# KiCad board ikafly_rev0a_p_cut.kicad_pcb (continued)
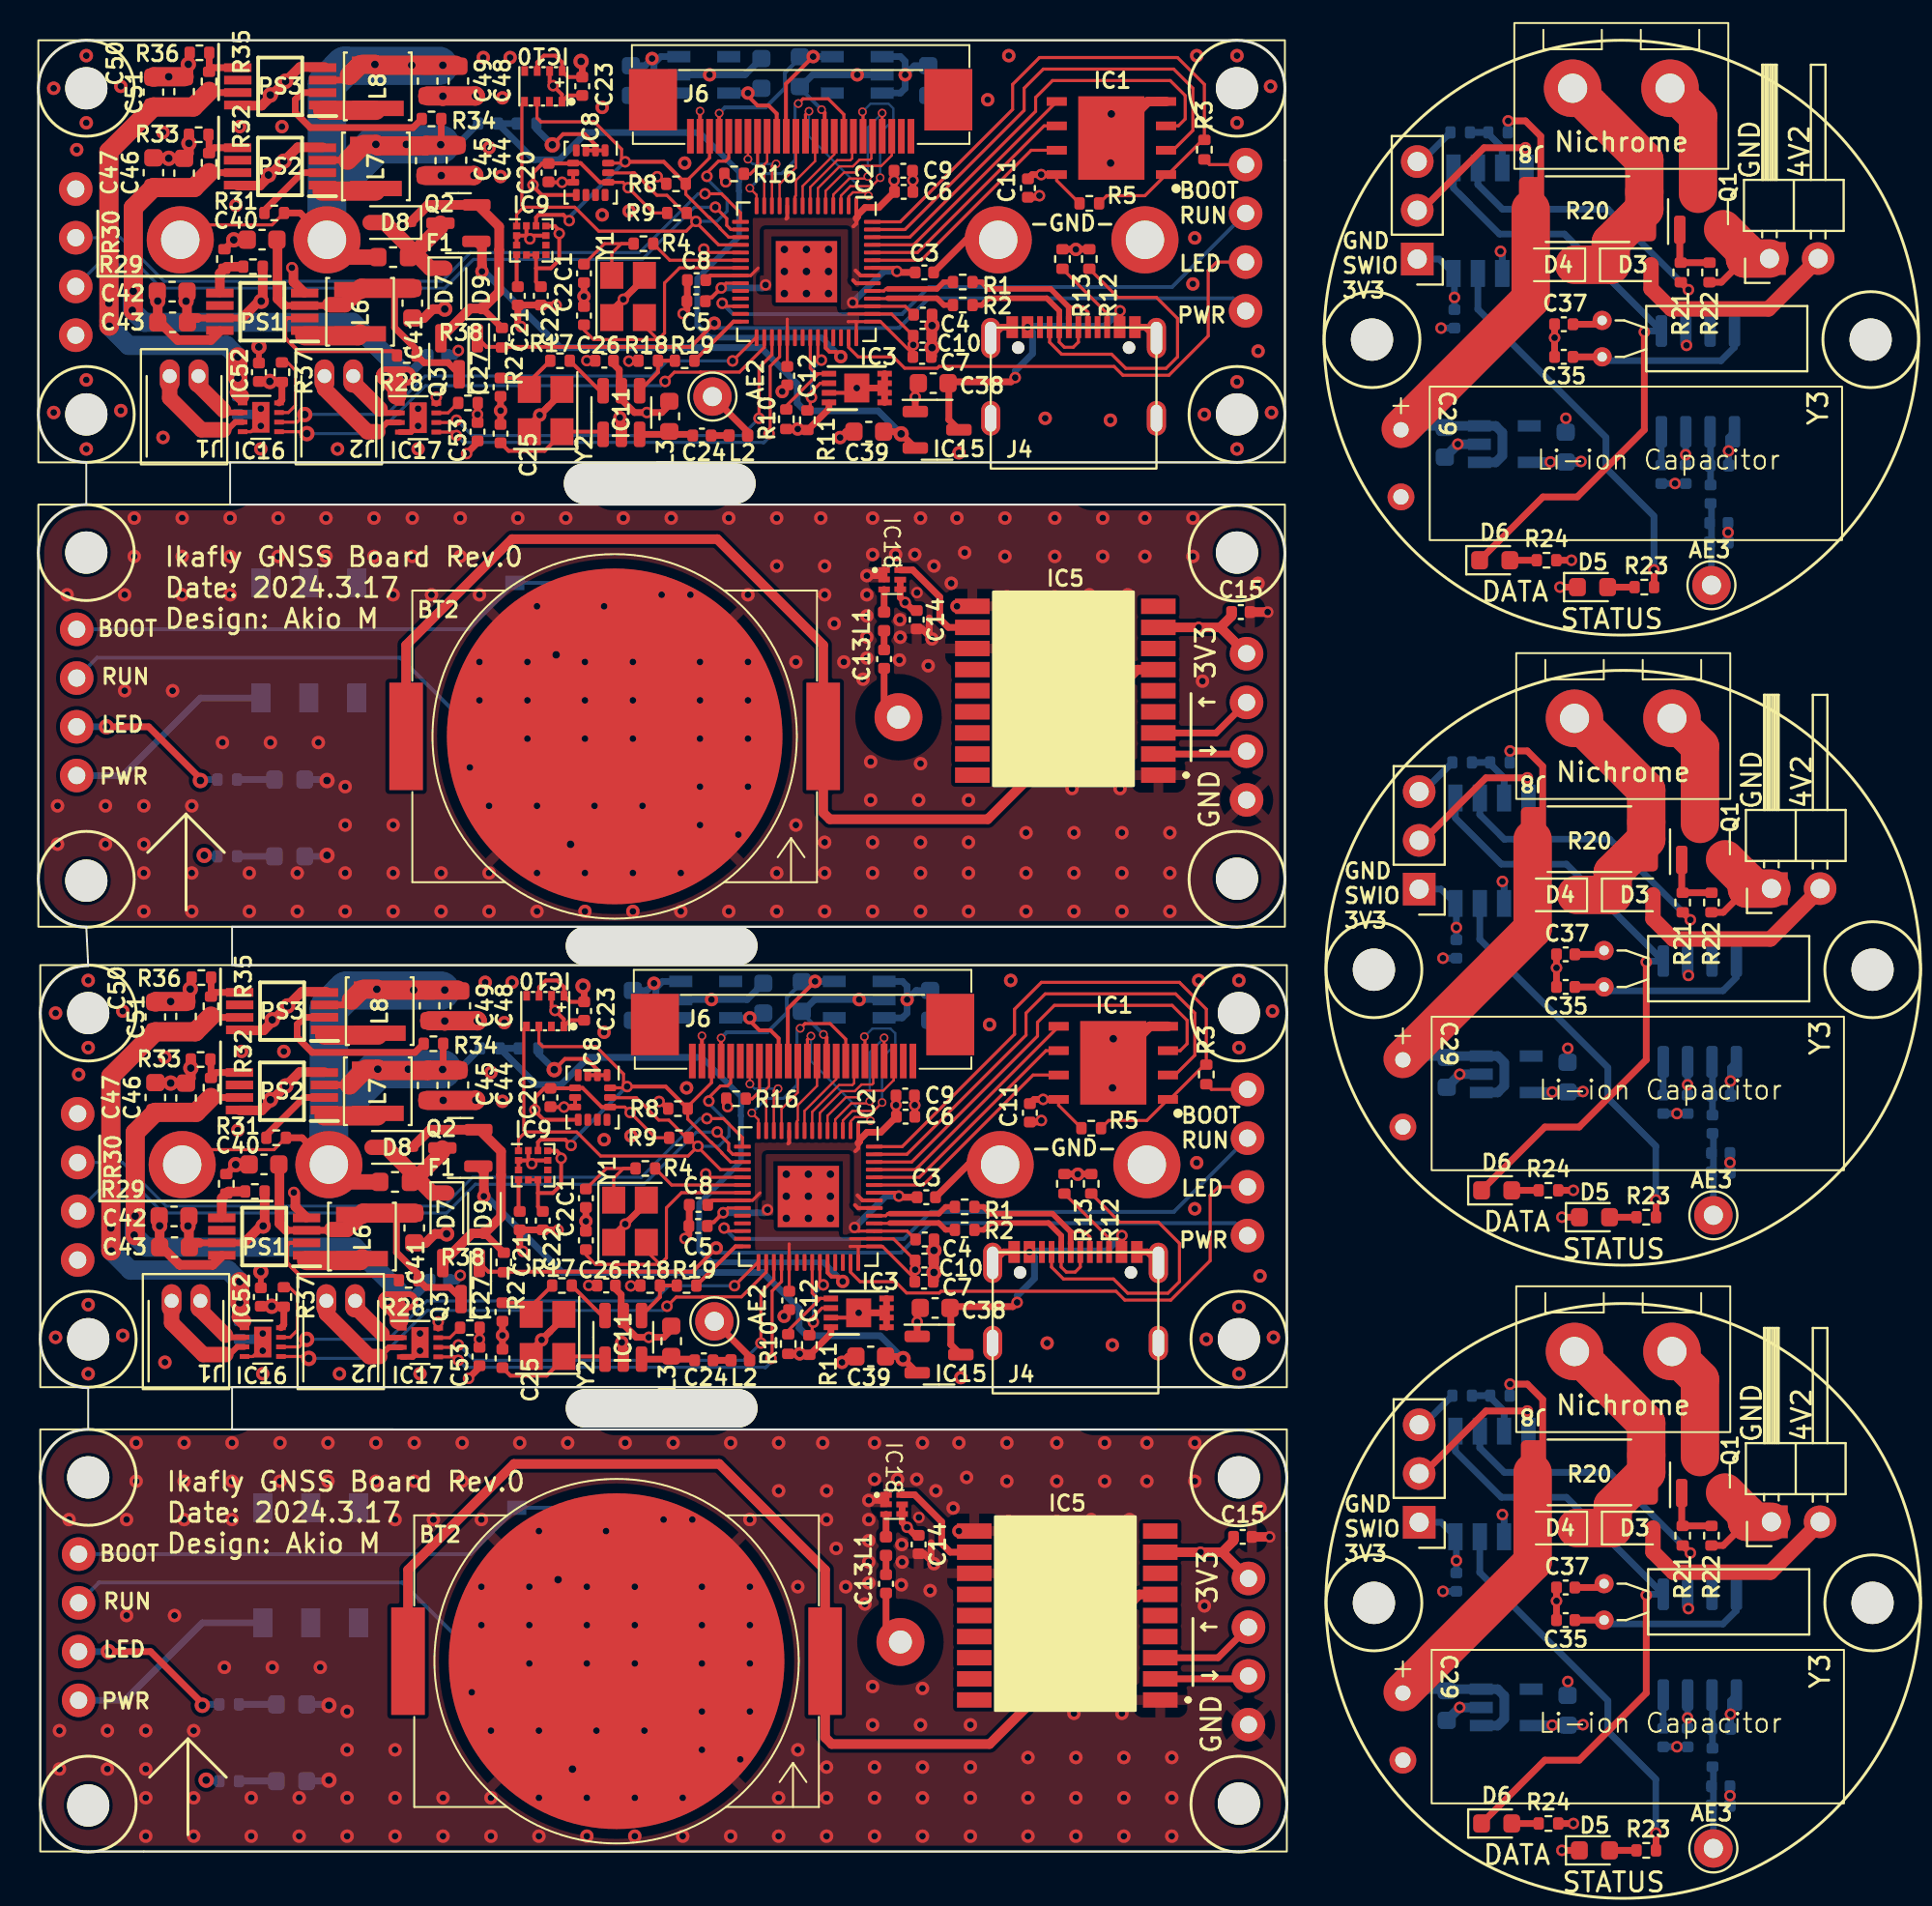
[diagram p0: board, top side]
## Placement (name value [footprint] x y rotation side) (continued)
R28#2  10k  [R_0402_1005Metric]  19.31 29.77 180 top
R29  680k  [R_0402_1005Metric]  11.29 34.4 180 top
R29#2  680k  [R_0402_1005Metric]  11.19 82.6 180 top
R30  150k  [R_0402_1005Metric]  9.7 83 90 top
R30#2  150k  [R_0402_1005Metric]  9.8 34.8 90 top
R31  10k  [R_0402_1005Metric]  12.4 37.2 180 top
R31#2  10k  [R_0402_1005Metric]  12.3 85.4 180 top
R32  680k  [R_0402_1005Metric]  8.9 88.01 90 top
R32#2  680k  [R_0402_1005Metric]  9 39.81 90 top
R33  150k  [R_0402_1005Metric]  8.46 41.28 180 top
R33#2  150k  [R_0402_1005Metric]  8.36 89.48 180 top
R34  10k  [R_0402_1005Metric]  20.5 90.3 180 top
R34#2  10k  [R_0402_1005Metric]  20.6 42.1 180 top
R35  680k  [R_0402_1005Metric]  8.9 92.25 90 top
R35#2  680k  [R_0402_1005Metric]  9 44.05 90 top
R36  150k  [R_0402_1005Metric]  8.4 93.75 180 top
R36#2  150k  [R_0402_1005Metric]  8.5 45.55 180 top
R37  10k  [R_0402_1005Metric]  12.7 77.1 90 top
R37#2  10k  [R_0402_1005Metric]  12.8 28.9 90 top
R38  10k  [R_0402_1005Metric]  22.5 27.3 180 top
R38#2  10k  [R_0402_1005Metric]  22.4 75.5 180 top
S1  TS-1187A-B-A-B  [TS1187ABAB]  27.95 16.05 180 bottom
S1#2  TS-1187A-B-A-B  [TS1187ABAB]  27.85 64.25 180 bottom
S2  TS-1187A-B-A-B  [TS1187ABAB]  27.95 6.17 180 bottom
S2#2  TS-1187A-B-A-B  [TS1187ABAB]  27.85 54.37 180 bottom
S3  MST22D18G2_125  [MST22D18G2125]  14.1 63.12 180 bottom
S3#2  MST22D18G2_125  [MST22D18G2125]  14.2 14.92 180 bottom
TP1  TestPoint  [TestPoint_Pad_D1.0mm]  77.74 14.36 180 bottom
TP1#2  TestPoint  [TestPoint_Pad_D1.0mm]  77.64 80.2 180 bottom
TP1#3  TestPoint  [TestPoint_Pad_D1.0mm]  77.74 47.36 180 bottom
Y1  Crystal_12MHz  [Crystal_SMD_3225-4Pin_3.2x2.5mm]  30.85 32.85 270 top
Y1#2  Crystal_12MHz  [Crystal_SMD_3225-4Pin_3.2x2.5mm]  30.75 81.05 270 top
Y2  9.844MHz  [Crystal_SMD_3225-4Pin_3.2x2.5mm]  26.55 26.9 90 top
Y2#2  9.844MHz  [Crystal_SMD_3225-4Pin_3.2x2.5mm]  26.45 75.1 90 top
Y3  9.81563MHz  [Crystal_C38-LF_D3.0mm_L8.0mm_Horizontal]  81.64 12.06 90 top
Y3#2  9.81563MHz  [Crystal_C38-LF_D3.0mm_L8.0mm_Horizontal]  81.54 77.9 90 top
Y3#3  9.81563MHz  [Crystal_C38-LF_D3.0mm_L8.0mm_Horizontal]  81.64 45.06 90 top

## Library data of the parts
AE1 AE1#2 = -: Description: Antenna; LCSC: C2826453
AE2 AE2#2 AE3 AE3#2 AE3#3 = -: Description: Antenna
BT1 BT1#2 = -: Description: Single-cell battery; LCSC: C6937103
BT2 BT2#2 = -: Description: Single-cell battery; LCSC: C19184094
C1 C1#2 C2 C2#2 C24 C24#2 C25 C25#2 C27 C27#2 C35 C35#2 C35#3 C37 C37#2 C37#3 = -: Description: Unpolarized capacitor; LCSC: C1554; Manufacturer_Name: C1554
C3 C3#2 C6 C6#2 = -: Description: Unpolarized capacitor; LCSC: C5137485
C4 C4#2 C5 C5#2 C7 C7#2 C8 C8#2 C9 C9#2 C10 C10#2 C11 C11#2 C12 C12#2 C14 C14#2 C15 C15#2 C20 C20#2 C21 C21#2 C22 C22#2 C23 C23#2 C28 C28#2 C28#3 C32 C32#2 C32#3 C52 C52#2 C53 C53#2 C54 C54#2 C55 C55#2 = -: Description: Unpolarized capacitor; LCSC: C83056
C13 C13#2 = -: Description: Unpolarized capacitor; LCSC: C1537
C16 C16#2 C17 C17#2 C18 C18#2 C19 C19#2 C34 C34#2 C34#3 C36 C36#2 C36#3 C38 C38#2 C39 C39#2 = -: Description: Unpolarized capacitor; LCSC: C1691
C26 C26#2 = -: Description: Unpolarized capacitor; LCSC: C12530
C29 C29#2 C29#3 = -: Description: Polarized capacitor; LCSC: C2901337
C30 C30#2 C30#3 = -: Description: Unpolarized capacitor; LCSC: C1576
C31 C31#2 C31#3 = -: Description: Unpolarized capacitor; LCSC: C1552
C33 C33#2 C33#3 = -: Description: Unpolarized capacitor; LCSC: C123497
C40 C40#2 C41 C41#2 C42 C42#2 C43 C43#2 C44 C44#2 C45 C45#2 C46 C46#2 C47 C47#2 C48 C48#2 C49 C49#2 C50 C50#2 C51 C51#2 = -: Description: Unpolarized capacitor; LCSC: C59461
D1 D1#2 D2 D2#2 D5 D5#2 D5#3 D6 D6#2 D6#3 = -: Description: Light emitting diode; LCSC: C965807
D3 D3#2 D3#3 D4 D4#2 D4#3 D7 D7#2 D8 D8#2 D9 D9#2 = -: Description: Diode; LCSC: C146335; Sim.Device: D; Sim.Pins: 1=K 2=A
F1 F1#2 = -: Description: Resettable fuse, polymeric positive temperature coefficient; LCSC: C210357
H1 H1#2 H2 H2#2 H3 H3#2 H4 H4#2 H5 H5#2 H5#3 H6 H6#2 H6#3 H7 H7#2 H8 H8#2 H9 H9#2 H10 H10#2 = -: Description: Mounting Hole without connection
IC1 IC1#2 = -: Description: 32M-bit Serial Flash Memory with uniform 4KB sectors and Dual/Quad SPI; Height: 0.8; LCSC: C571260; Manufacturer_Name: Winbond
IC2 IC2#2 = -: Description: A microcontroller by Raspberry Pi; LCSC: C2040
IC3 IC3#2 = -: LCSC: C19725754
IC5 IC5#2 = -: Description: GSM & GPRS & GPS Modules 9.7X10.1mm RoHS; Height: 2.6; LCSC: C90770; Manufacturer_Name: ZHONGKEWEI
IC6 IC6#2 = -: Description: High Speed LDO Regulators, High PSRR, Low noise, ME6211 Series; Height: 1.45; LCSC: C53099; Manufacturer_Name: Microne; Manufacturer_Part_Number: ME6211C28M5G
IC7 IC7#2 = -: Description: High Speed LDO Regulators, High PSRR, Low noise, ME6211 Series; Height: 1.45; LCSC: C236672; Manufacturer_Name: Microne; Manufacturer_Part_Number: ME6211C12M5G
IC8 IC8#2 = -: Description: STMicroelectronics iNEMO inertial module: 3D accelerometer and 3D gyroscope; LCSC: C967633; Manufacturer_Name: STMicroelectronics
IC9 IC9#2 = -: LCSC: C478483
IC10 IC10#2 = -: LCSC: C2684428
IC11 IC11#2 = -: LCSC: C2886627
IC12 IC12#2 IC12#3 = -: Description: QingKe V2/V4 core, main frequency @48M; Height: 1.55; LCSC: C5346354; Manufacturer_Name: WCH
IC13 IC13#2 IC13#3 = -: LCSC: C5182219
IC14 IC14#2 IC14#3 = -: Description: High Speed LDO Regulators, High PSRR, Low noise, ME6211 Series; Height: 1.45; LCSC: C82942; Manufacturer_Name: Microne; Manufacturer_Part_Number: ME6211C33M5G
IC15 IC15#2 = -: Description: Positive 60-250mA Low Dropout Regulator, Fixed Output, SOT-23; LCSC: C347373
IC16 IC16#2 IC17 IC17#2 = -: Description: H-Bridge driver, 1.8A, Low Voltage, PWM input, WSON-8; LCSC: C39159
IC18 IC18#2 = -: LCSC: C92450
J1 J1#2 J2 J2#2 J7 J7#2 J7#3 J8 J8#2 J8#3 = -: Description: Generic connector, single row, 01x02, script generated
J3 J3#2 J5 J5#2 = -: Description: Generic connector, single row, 01x08, script generated
J4 J4#2 = -: LCSC: C2874568
J6 J6#2 = -: LCSC: C2998872
J9 J9#2 J9#3 = -: Description: Generic connector, single row, 01x03, script generated
L1 L1#2 = -: Description: Inductor; LCSC: C395075; Manufacturer_Name: C395075
L2 L2#2 = -: Description: Inductor; LCSC: C32837
L3 L3#2 = -: Description: Inductor; LCSC: C963792
L4 L4#2 L4#3 = -: Description: Inductor; LCSC: C395063
L5 L5#2 L5#3 = -: Description: Inductor; LCSC: C90182
L6 L6#2 L7 L7#2 L8 L8#2 = -: Description: Inductor; LCSC: C5159663
PS1 PS1#2 PS2 PS2#2 PS3 PS3#2 = -: Description: DiodesZetex PAM2401SCADJ, Step Down DC-DC Converter, 1000mA, Adjustable, 2.5  5 V, 8-Pin MSOP 8; Height: 1.1; LCSC: C508238; Manufacturer_Name: Diodes Incorporated
Q1 Q1#2 Q1#3 = -: Description: 0.115A Id, 60V Vds, N-Channel MOSFET, SOT-23; LCSC: C389061
Q2 Q2#2 Q3 Q3#2 = -: Description: -3.7A Id, -20V Vds, 65mOhm Rds, P-Channel HEXFET Power MOSFET, SOT-23; LCSC: C5224170
R1 R1#2 R2 R2#2 = -: Description: Resistor; LCSC: C2909343
R3 R3#2 R4 R4#2 R17 R17#2 R21 R21#2 R21#3 = -: Description: Resistor; LCSC: C2906899
R5 R5#2 R6 R6#2 R7 R7#2 R14 R14#2 R15 R15#2 R16 R16#2 R19 R19#2 R22 R22#2 R22#3 R23 R23#2 R23#3 R24 R24#2 R24#3 R28 R28#2 R31 R31#2 R34 R34#2 R37 R37#2 R38 R38#2 = -: Description: Resistor; LCSC: C2906885
R8 R8#2 R9 R9#2 R10 R10#2 R11 R11#2 = -: Description: Resistor; LCSC: C2906920
R12 R12#2 R13 R13#2 = -: Description: Resistor; LCSC: C2906948
R18 R18#2 R25 R25#2 R25#3 R26 R26#2 R26#3 R27 R27#2 = -: Description: Resistor; LCSC: C60491
R20 R20#2 R20#3 = -: Description: Resistor; LCSC: C3000711
R29 R29#2 R32 R32#2 R35 R35#2 = -: Description: Resistor; LCSC: C2909377
R30 R30#2 R33 R33#2 R36 R36#2 = -: Description: Resistor; LCSC: C2909320
S1 S1#2 S2 S2#2 = -: Description: tact switch 4x4X1.5 patch 160GF metal head waterproof; Height: 4.05; LCSC: C318884; Manufacturer_Name: XKB Connectivity
S3 S3#2 = -: Description: Brick nogging 50mA DPDT 12V 1 SMD,3.6x9.1mm Slide Switches ROHS; Height: 8; LCSC: C2906280; Manufacturer_Name: SHENZHEN SHOUHAN TECHNOLOGYCO.,LTD; Manufacturer_Part_Number: MST22D18G2 125
TP1 TP1#2 TP1#3 = -: Description: test point
Y1 Y1#2 = -: Description: Four pin crystal, GND on pins 2 and 4; LCSC: C133334
Y2 Y2#2 = -: Description: Four pin crystal, GND on pins 2 and 4; LCSC: C648991
Y3 Y3#2 Y3#3 = -: Description: Two pin crystal; LCSC: C4944010

## Footprints (pads in the part's own frame, mm; a bottom-side part is the same pattern mirrored in y, then rotated)
AT2659
  rect 0.3x0.6 smd: 1(-0.5,-0.44) 2(-0.01,-0.44) 3(0.51,-0.44) 4(0.5,0.4) 5(0,0.4) 6(-0.5,0.4)
ATGM336H5N31
  rect 1.8x0.8 smd: 1(4.85,-4.4) 2(4.85,-3.3) 3(4.85,-2.2) 4(4.85,-1.1) 5(4.85,0) 6(4.85,1.1) 7(4.85,2.2) 8(4.85,3.3) 9(4.85,4.4) 10(-4.85,4.4) 11(-4.85,3.3) 12(-4.85,2.2) 13(-4.85,1.1) 14(-4.85,0) 15(-4.85,-1.1) 16(-4.85,-2.2) 17(-4.85,-3.3) 18(-4.85,-4.4)
BWGNSCNX18-18W2
  round 2.5 hole 1.2: 1(-1,0)
C_0402_1005Metric
  rrect 0.56x0.62 smd: 1(-0.48,0) 2(0.48,0)
C_0603_1608Metric
  rrect 0.9x0.95 smd: 1(-0.775,0) 2(0.775,0)
Capacitor_P3.5_8x20_H
  round 1.4 hole 0.8: 1(-1.75,0) 2(1.75,0)
Conn_MY-AA
  round 3.5 hole 2: 1(0,0) 1(7.65,0) 2(42.65,0) 2(50.3,0)
Crystal_C38-LF_D3.0mm_L8.0mm_Horizontal
  round 1 hole 0.5: 1(0,0) 2(1.9,0)
Crystal_SMD_3225-4Pin_3.2x2.5mm
  rect 1.4x1.2 smd: 1(-1.1,-0.85) 2(1.1,-0.85) 3(1.1,0.85) 4(-1.1,0.85)
D_SOD-323
  rrect 0.6x0.45 smd: 1(-1.05,0) 2(1.05,0)
DFN-8-1EP_3x2mm_P0.5mm_EP1.3x1.5mm
  rect 0.5x0.6 smd: (-0.325,0.375) (-0.325,-0.375) (0.325,0.375) (0.325,-0.375)
  rect 0.75x0.3 smd: 1(-1.45,0.75) 2(-1.45,0.25) 3(-1.45,-0.25) 4(-1.45,-0.75) 5(1.45,-0.75) 6(1.45,-0.25) 7(1.45,0.25) 8(1.45,0.75)
  rect 1.3x1.5 smd: 9(0,0)
FC05-SXXDCU-00
  rect 2.5x3.2 smd: (-7.7,1.9) (7.7,1.9)
  rect 0.35x1.8 smd: 1(-5.75,0) 2(-5.25,0) 3(-4.75,0) 4(-4.25,0) 5(-3.75,0) 6(-3.25,0) 7(-2.75,0) 8(-2.25,0) 9(-1.75,0) 10(-1.25,0) 11(-0.75,0) 12(-0.25,0) 13(0.25,0) 14(0.75,0) 15(1.25,0) 16(1.75,0) 17(2.25,0) 18(2.75,0) 19(3.25,0) 20(3.75,0) 21(4.25,0) 22(4.75,0) 23(5.25,0) 24(5.75,0)
Fuse_0603_1608Metric
  rrect 0.875x0.95 smd: 1(-0.787,0) 2(0.787,0)
Goertek_SPL06-001
  rect 0.35x0.5 smd: 1(0.28,1.8) 2(0.93,1.8) 3(1.58,1.8) 4(2.23,1.8) 5(2.22,0.2) 6(1.57,0.2) 7(0.92,0.2) 8(0.27,0.2)
GPS2MCU_Conn
  round 1.75 hole 0.9: 1(-30.75,3.235) 2(-30.75,0.695) 3(-30.75,-1.845) 4(-30.75,-4.385) 5(30.25,4.505) 6(30.25,1.965) 7(30.25,-0.575) 8(30.25,-3.115)
JST_ZH_2_Side
  oval 1.03x1.73 hole 0.73: 1(1.5,0) 2(3,0)
L_0402_1005Metric
  rrect 0.59x0.64 smd: 1(-0.485,0) 2(0.485,0)
L_0603_1608Metric
  rrect 0.875x0.95 smd: 1(-0.787,0) 2(0.787,0)
L_Sunlord_SWPA3015S
  rect 0.8x2.7 smd: 1(-1.15,0) 2(1.15,0)
LED_0603_1608Metric
  rrect 0.875x0.95 smd: 1(-0.787,0) 2(0.787,0)
LGA-12_2x2mm_P0.5mm
  rect 0.375x0.35 smd: 1(-0.762,0.75) 2(-0.762,0.25) 3(-0.762,-0.25) 4(-0.762,-0.75) 7(0.762,-0.75) 8(0.762,-0.25) 9(0.762,0.25) 10(0.762,0.75)
  rect 0.35x0.375 smd: 5(-0.25,-0.762) 6(0.25,-0.762) 11(0.25,0.762) 12(-0.25,0.762)
LGA-14_3x2.5mm_P0.5mm_LayoutBorder3x4y
  rrect 0.625x0.35 smd: 1(-1.163,0.75) 2(-1.163,0.25) 3(-1.163,-0.25) 4(-1.163,-0.75) 8(1.163,-0.75) 9(1.163,-0.25) 10(1.163,0.25) 11(1.163,0.75)
  rrect 0.35x0.625 smd: 5(-0.5,-0.912) 6(0,-0.912) 7(0.5,-0.912) 12(0.5,0.912) 13(0,0.912) 14(-0.5,0.912)
MountingHole_2.2mm_M2
  round 2.2 hole 2.2 unplated: (0,0)
MST22D18G2125
  rect 1x1.5 smd: 1(-2.5,-3) 2(0,-3) 3(2.5,-3) 4(2.5,3) 5(0,3) 6(-2.5,3)
MY-2032-08-J-Fe
  rect 1.75x5.6 smd: 1(-10.875,0) 1(10.875,0)
  round 17.5 smd: 2(0,0)
Pin_D1.0mm_L10.0mm
  round 2 hole 1: 1(0,0)
PinHeader_1x02_P2.54mm_Horizontal
  rect 1.7x1.7 hole 1: 1(0,0)
  oval 1.7x1.7 hole 1: 2(0,-2.54)
PinHeader_1x03_P2.54mm_Vertical
  rect 1.7x1.7 hole 1: 1(0,0)
  oval 1.7x1.7 hole 1: 2(0,-2.54) 3(0,-5.08)
QFN-56-1EP_7x7mm_P0.4mm_EP3.2x3.2mm
  rrect 1.29x1.29 smd: (-0.8,0.8) (-0.8,-0.8) (0.8,0.8) (0.8,-0.8)
  rrect 0.875x0.2 smd: 1(-3.438,2.6) 2(-3.438,2.2) 3(-3.438,1.8) 4(-3.438,1.4) 5(-3.438,1) 6(-3.438,0.6) 7(-3.438,0.2) 8(-3.438,-0.2) 9(-3.438,-0.6) 10(-3.438,-1) 11(-3.438,-1.4) 12(-3.438,-1.8) 13(-3.438,-2.2) 14(-3.438,-2.6) 29(3.438,-2.6) 30(3.438,-2.2) 31(3.438,-1.8) 32(3.438,-1.4) 33(3.438,-1) 34(3.438,-0.6) 35(3.438,-0.2) 36(3.438,0.2) 37(3.438,0.6) 38(3.438,1) 39(3.438,1.4) 40(3.438,1.8) 41(3.438,2.2) 42(3.438,2.6)
  rrect 0.2x0.875 smd: 15(-2.6,-3.438) 16(-2.2,-3.438) 17(-1.8,-3.438) 18(-1.4,-3.438) 19(-1,-3.438) 20(-0.6,-3.438) 21(-0.2,-3.438) 22(0.2,-3.438) 23(0.6,-3.438) 24(1,-3.438) 25(1.4,-3.438) 26(1.8,-3.438) 27(2.2,-3.438) 28(2.6,-3.438) 43(2.6,3.438) 44(2.2,3.438) 45(1.8,3.438) 46(1.4,3.438) 47(1,3.438) 48(0.6,3.438) 49(0.2,3.438) 50(-0.2,3.438) 51(-0.6,3.438) 52(-1,3.438) 53(-1.4,3.438) 54(-1.8,3.438) 55(-2.2,3.438) 56(-2.6,3.438)
  rect 3.2x3.2 smd: 57(0,0)
R_0402_1005Metric
  rrect 0.54x0.64 smd: 1(-0.51,0) 2(0.51,0)
R_2512_6332Metric
  rrect 1.225x3.35 smd: 1(-2.962,0) 2(2.962,0)
SOIC127P600X155-8N
  rect 1.4x0.75 smd: 1(-2.75,1.905) 2(-2.75,0.635) 3(-2.75,-0.635) 4(-2.75,-1.905) 5(2.75,-1.905) 6(2.75,-0.635) 7(2.75,0.635) 8(2.75,1.905)
SON127P600X500X80-9N-D
  rect 1.05x0.45 smd: 1(-2.85,1.905) 2(-2.85,0.635) 3(-2.85,-0.635) 4(-2.85,-1.905) 5(2.85,-1.905) 6(2.85,-0.635) 7(2.85,0.635) 8(2.85,1.905)
  rect 3.45x4.35 smd: 9(0,0)
SOP65P490X110-8N
  rect 1.425x0.45 smd: 1(-2.212,0.975) 2(-2.212,0.325) 3(-2.212,-0.325) 4(-2.212,-0.975) 5(2.212,-0.975) 6(2.212,-0.325) 7(2.212,0.325) 8(2.212,0.975)
SOP-8_3.9x4.9mm_P1.27mm
  rrect 1.65x0.6 smd: 1(-2.625,1.905) 2(-2.625,0.635) 3(-2.625,-0.635) 4(-2.625,-1.905) 5(2.625,-1.905) 6(2.625,-0.635) 7(2.625,0.635) 8(2.625,1.905)
SOT95P282X145-5N
  rect 1.2x0.6 smd: 1(-1.3,0.95) 2(-1.3,0) 3(-1.3,-0.95) 4(1.3,-0.95) 5(1.3,0.95)
SOT-23
  rrect 1.475x0.6 smd: 1(-0.938,0.95) 2(-0.938,-0.95) 3(0.938,0)
SOT-23-3
  rrect 1.325x0.6 smd: 1(-1.137,0.95) 2(-1.137,-0.95) 3(1.137,0)
SOT-23-6
  rrect 1.325x0.6 smd: 1(-1.137,0.95) 2(-1.137,0) 3(-1.137,-0.95) 4(1.137,-0.95) 5(1.137,0) 6(1.137,0.95)
TerminalBlock_TB111-2-2-U-1-1
  round 3 hole 1.52: 1(-2.54,0) 2(2.54,0)
TestPoint_Pad_D1.0mm
  round 1 smd: 1(0,0)
TS1187ABAB
  rect 1x0.75 smd: A1(-3,1.875) B1(3,1.875) C1(-3,-1.875) D1(3,-1.875)
unnamed
  oval 10x2 hole 10x2 unplated: (0,0)
unnamed#2
  oval 10x2.1 hole 10x2.1 unplated: (0,0)
USB_type_C
  round 0.65 hole 0.65 unplated: (1.43,-1.05) (7.21,-1.05)
  rect 0.6x1.14 smd: 1(1.12,0.02) 2(1.92,0.02) 11(6.72,0.02) 12(7.52,0.02)
  rect 0.3x1.14 smd: 3(2.57,0.02) 4(3.07,0.02) 5(3.57,0.02) 6(4.07,0.02) 7(4.57,0.02) 8(5.07,0.02) 9(5.57,0.02) 10(6.07,0.02)
  oval 1x2.1 hole 0.6x1.7: S(0,-0.55) S(8.64,-0.55)
  oval 1x1.8 hole 0.6x1.4: S(0,-4.73) S(8.64,-4.73)
WSON-8-1EP_2x2mm_P0.5mm_EP0.9x1.6mm
  rect 0.75x0.65 smd: (0,0.4) (0,-0.4)
  rect 0.5x0.25 smd: 1(-0.95,0.75) 2(-0.95,0.25) 3(-0.95,-0.25) 4(-0.95,-0.75) 5(0.95,-0.75) 6(0.95,-0.25) 7(0.95,0.25) 8(0.95,0.75)
  rect 0.9x1.6 smd: 9(0,0)

## Nets
/3V3: C6.1 C6#2.1 C7.1 C7#2.1 C8.1 C8#2.1 C9.1 C9#2.1 C10.1 C10#2.1 C11.1 C11#2.1 C12.1 C12#2.1 C14.1 C14#2.1 C15.1 C15#2.1 C16.1 C16#2.1 C17.1 C17#2.1 C20.2 C20#2.2 C22.1 C22#2.1 C23.1 C23#2.1 C26.1 C26#2.1 C42.1 C42#2.1 C43.1 C43#2.1 C52.1 C52#2.1 C53.1 C53#2.1 IC1.8 IC1#2.8 IC2.1 IC2.10 IC2.22 IC2.33 IC2.42 IC2.43 IC2.44 IC2.48 IC2.49 IC2#2.1 IC2#2.10 IC2#2.22 IC2#2.33 IC2#2.42 IC2#2.43 IC2#2.44 IC2#2.48 IC2#2.49 IC3.8 IC3#2.8 IC5.8 IC5#2.8 IC6.1 IC6.3 IC6#2.1 IC6#2.3 IC7.1 IC7.3 IC7#2.1 IC7#2.3 IC8.5 IC8.8 IC8.12 IC8#2.5 IC8#2.8 IC8#2.12 IC9.5 IC9.6 IC9.10 IC9#2.5 IC9#2.6 IC9#2.10 IC10.6 IC10.8 IC10#2.6 IC10#2.8 IC11.5 IC11#2.5 IC16.8 IC16#2.8 IC17.8 IC17#2.8 IC18.4 IC18.5 IC18#2.4 IC18#2.5 J3.1 J3#2.1 J5.1 J5#2.1 L3.1 L3#2.1 PS1.7 PS1#2.7 R5.1 R5#2.1 R8.1 R8#2.1 R9.1 R9#2.1 R10.1 R10#2.1 R11.1 R11#2.1 R15.1 R15#2.1 R29.1 R29#2.1 R37.1 R37#2.1 R38.1 R38#2.1
/Ikafly_Camera/1V2: C19.1 C19#2.1 IC7.5 IC7#2.5 J6.10 J6#2.10
/Ikafly_Camera/2V8: C18.1 C18#2.1 IC6.5 IC6#2.5 J6.4 J6.11 J6#2.4 J6#2.11
/Ikafly_MCU/1V1: C3.1 C3#2.1 C4.1 C4#2.1 C5.1 C5#2.1 IC2.23 IC2.45 IC2.50 IC2#2.23 IC2#2.45 IC2#2.50
/Ikafly_Power/Ikafly_Power_DCDC_Logic/VBAT: C40.1 C40#2.1 C41.1 C41#2.1 L6.1 L6#2.1 PS1.3 PS1#2.3 Q3.3 Q3#2.3 R28.1 R28#2.1
/Ikafly_Power/VBUS_IN: C38.1 C38#2.1 IC15.3 IC15#2.3 J4.2 J4.11 J4#2.2 J4#2.11
/Ikafly_Separation_Board/3V3: C28.1 C28#2.1 C28#3.1 C32.1 C32#2.1 C32#3.1 C36.1 C36#2.1 C36#3.1 IC12.4 IC12#2.4 IC12#3.4 IC13.3 IC13#2.3 IC13#3.3 IC14.5 IC14#2.5 IC14#3.5 J9.1 J9#2.1 J9#3.1 R24.1 R24#2.1 R24#3.1
/Ikafly_Separation_Board/4V2: D3.2 D3#2.2 D3#3.2 J7.2 J7#2.2 J7#3.2
/VBAT: BT1.1 BT1#2.1 C44.1 C44#2.1 C45.1 C45#2.1 C48.1 C48#2.1 C49.1 C49#2.1 F1.1 F1#2.1 L7.1 L7#2.1 L8.1 L8#2.1 PS2.3 PS2#2.3 PS3.3 PS3#2.3 R6.1 R6#2.1 R31.1 R31#2.1 R34.1 R34#2.1
GND: BT1.2 BT1#2.2 BT2.2 BT2#2.2 C1.1 C1#2.1 C2.1 C2#2.1 C3.2 C3#2.2 C4.2 C4#2.2 C5.2 C5#2.2 C6.2 C6#2.2 C7.2 C7#2.2 C8.2 C8#2.2 C9.2 C9#2.2 C10.2 C10#2.2 C11.2 C11#2.2 C12.2 C12#2.2 C14.2 C14#2.2 C15.2 C15#2.2 C16.2 C16#2.2 C17.2 C17#2.2 C18.2 C18#2.2 C19.2 C19#2.2 C20.1 C20#2.1 C21.1 C21#2.1 C22.2 C22#2.2 C23.2 C23#2.2 C25.2 C25#2.2 C26.2 C26#2.2 C27.2 C27#2.2 C28.2 C28#2.2 C28#3.2 C29.2 C29#2.2 C29#3.2 C30.2 C30#2.2 C30#3.2 C32.2 C32#2.2 C32#3.2 C33.2 C33#2.2 C33#3.2 C34.2 C34#2.2 C34#3.2 C35.2 C35#2.2 C35#3.2 C36.2 C36#2.2 C36#3.2 C37.2 C37#2.2 C37#3.2 C38.2 C38#2.2 C39.2 C39#2.2 C40.2 C40#2.2 C41.2 C41#2.2 C42.2 C42#2.2 C43.2 C43#2.2 C44.2 C44#2.2 C45.2 C45#2.2 C46.2 C46#2.2 C47.2 C47#2.2 C48.2 C48#2.2 C49.2 C49#2.2 C50.2 C50#2.2 C51.2 C51#2.2 C52.2 C52#2.2 C53.2 C53#2.2 C54.2 C54#2.2 C55.2 C55#2.2 D1.1 D1#2.1 D2.1 D2#2.1 D5.1 D5#2.1 D5#3.1 D7.2 D7#2.2 IC1.4 IC1.9 IC1#2.4 IC1#2.9 IC2.19 IC2.57 IC2#2.19 IC2#2.57 IC3.1 IC3.2 IC3.3 IC3.4 IC3.7 IC3.9 IC3#2.1 IC3#2.2 IC3#2.3 IC3#2.4 IC3#2.7 IC3#2.9 IC5.1 IC5.10 IC5.12 IC5#2.1 IC5#2.10 IC5#2.12 IC6.2 IC6#2.2 IC7.2 IC7#2.2 IC8.1 IC8.2 IC8.3 IC8.6 IC8.7 IC8#2.1 IC8#2.2 IC8#2.3 IC8#2.6 IC8#2.7 IC9.2 IC9.3 IC9.9 IC9.12 IC9#2.2 IC9#2.3 IC9#2.9 IC9#2.12 IC10.1 IC10.7 IC10#2.1 IC10#2.7 IC11.2 IC11#2.2 IC12.2 IC12#2.2 IC12#3.2 IC13.1 IC13.6 IC13#2.1 IC13#2.6 IC13#3.1 IC13#3.6 IC14.2 IC14#2.2 IC14#3.2 IC15.1 IC15#2.1 IC16.4 IC16.9 IC16#2.4 IC16#2.9 IC17.4 IC17.9 IC17#2.4 IC17#2.9 IC18.1 IC18.2 IC18#2.1 IC18#2.2 J3.4 J3#2.4 J4.1 J4.12 J4.S J4#2.1 J4#2.12 J4#2.S J5.4 J5#2.4 J6.2 J6.15 J6#2.2 J6#2.15 J7.1 J7#2.1 J7#3.1 J9.3 J9#2.3 J9#3.3 L4.2 L4#2.2 L4#3.2 L5.2 L5#2.2 L5#3.2 PS1.4 PS1.8 PS1#2.4 PS1#2.8 PS2.4 PS2.8 PS2#2.4 PS2#2.8 PS3.4 PS3.8 PS3#2.4 PS3#2.8 Q1.2 Q1#2.2 Q1#3.2 R7.2 R7#2.2 R12.2 R12#2.2 R13.2 R13#2.2 R16.1 R16#2.1 R18.2 R18#2.2 R22.2 R22#2.2 R22#3.2 R26.2 R26#2.2 R26#3.2 R30.2 R30#2.2 R33.2 R33#2.2 R36.2 R36#2.2 S1.C1 S1.D1 S1#2.C1 S1#2.D1 S2.C1 S2.D1 S2#2.C1 S2#2.D1 S3.2 S3#2.2 Y1.2 Y1.4 Y1#2.2 Y1#2.4 Y2.2 Y2.4 Y2#2.2 Y2#2.4
/Ikafly_Camera/D2: IC2.3 IC2#2.3 J6.19 J6#2.19
/Ikafly_Camera/D3: IC2.4 IC2#2.4 J6.21 J6#2.21
/Ikafly_Camera/D4: IC2.5 IC2#2.5 J6.22 J6#2.22
/Ikafly_Camera/D5: IC2.6 IC2#2.6 J6.20 J6#2.20
/Ikafly_Camera/D6: IC2.7 IC2#2.7 J6.18 J6#2.18
/Ikafly_Camera/D7: IC2.8 IC2#2.8 J6.16 J6#2.16
/Ikafly_Camera/D8: IC2.9 IC2#2.9 J6.14 J6#2.14
/Ikafly_Camera/D9: IC2.11 IC2#2.11 J6.12 J6#2.12
/Ikafly_Camera/EXCLK: IC2.2 IC2#2.2 J6.13 J6#2.13
/Ikafly_Camera/HREF: IC2.13 IC2#2.13 J6.9 J6#2.9
/Ikafly_Camera/PCLK: IC2.14 IC2#2.14 J6.17 J6#2.17
/Ikafly_Camera/SCL: IC2.18 IC2#2.18 IC8.13 IC8#2.13 IC9.1 IC9#2.1 IC10.4 IC10#2.4 J6.5 J6#2.5 R9.2 R9#2.2
/Ikafly_Camera/SDA: IC2.17 IC2#2.17 IC8.14 IC8#2.14 IC9.11 IC9#2.11 IC10.3 IC10#2.3 J6.3 J6#2.3 R8.2 R8#2.2
/Ikafly_Camera/VSYNC: IC2.12 IC2#2.12 J6.7 J6#2.7
/Ikafly_GNSS/1PPS: IC5.4 IC5#2.4
/Ikafly_GNSS/BOOT: J3.5 J3#2.5 J5.5 J5#2.5 R3.1 R3#2.1 S1.A1 S1.B1 S1#2.A1 S1#2.B1
/Ikafly_GNSS/LED: IC2.41 IC2#2.41 J3.7 J3#2.7 J5.7 J5#2.7 R14.1 R14#2.1
/Ikafly_GNSS/MISO: IC2.16 IC2#2.16 IC5.2 IC5#2.2 J3.3 J3#2.3 J5.3 J5#2.3
/Ikafly_GNSS/MOSI: IC2.15 IC2#2.15 IC5.3 IC5#2.3 J3.2 J3#2.2 J5.2 J5#2.2
/Ikafly_GNSS/RUN: IC2.26 IC2#2.26 J3.6 J3#2.6 J5.6 J5#2.6 S2.A1 S2.B1 S2#2.A1 S2#2.B1
/Ikafly_MCU/I2C0.SCL: IC2.37 IC2#2.37 IC3.6 IC3#2.6 R11.2 R11#2.2
/Ikafly_MCU/I2C0.SDA: IC2.36 IC2#2.36 IC3.5 IC3#2.5 R10.2 R10#2.2
/Ikafly_MCU/M1.PWMA: IC2.29 IC2#2.29 IC16.6 IC16#2.6
/Ikafly_MCU/M1.PWMB: IC2.30 IC2#2.30 IC16.5 IC16#2.5
/Ikafly_MCU/M2.PWMA: IC2.31 IC2#2.31 IC17.6 IC17#2.6
/Ikafly_MCU/M2.PWMB: IC2.32 IC2#2.32 IC17.5 IC17#2.5
/Ikafly_MCU/QSPI_SCLK: IC1.6 IC1#2.6 IC2.52 IC2#2.52
/Ikafly_MCU/QSPI_SD0: IC1.5 IC1#2.5 IC2.53 IC2#2.53
/Ikafly_MCU/QSPI_SD1: IC1.2 IC1#2.2 IC2.55 IC2#2.55
/Ikafly_MCU/QSPI_SD2: IC1.3 IC1#2.3 IC2.54 IC2#2.54
/Ikafly_MCU/QSPI_SD3: IC1.7 IC1#2.7 IC2.51 IC2#2.51
/Ikafly_MCU/QSPI_SS: IC1.1 IC1#2.1 IC2.56 IC2#2.56 R3.2 R3#2.2 R5.2 R5#2.2
/Ikafly_MCU/RF_TX: IC2.28 IC2#2.28 R19.2 R19#2.2
/Ikafly_MCU/USB.D_N: J4.5 J4.7 J4#2.5 J4#2.7 R2.1 R2#2.1
/Ikafly_MCU/USB.D_P: J4.6 J4.8 J4#2.6 J4#2.8 R1.1 R1#2.1
/Ikafly_MCU/USB_BD_N: IC2.46 IC2#2.46 R2.2 R2#2.2
/Ikafly_MCU/USB_BD_P: IC2.47 IC2#2.47 R1.2 R1#2.2
/Ikafly_Motor1/OUT1: IC16.2 IC16#2.2 J1.1 J1#2.1
/Ikafly_Motor1/OUT2: IC16.3 IC16#2.3 J1.2 J1#2.2
/Ikafly_Motor2/OUT1: IC17.2 IC17#2.2 J2.1 J2#2.1
/Ikafly_Motor2/OUT2: IC17.3 IC17#2.3 J2.2 J2#2.2
/Ikafly_Separation_Board/DATA: D6.1 D6#2.1 D6#3.1 IC12.5 IC12#2.5 IC12#3.5 IC13.5 IC13#2.5 IC13#3.5
/Ikafly_Separation_Board/HEAT: IC12.6 IC12#2.6 IC12#3.6 R21.1 R21#2.1 R21#3.1
/Ikafly_Separation_Board/LED: IC12.3 IC12#2.3 IC12#3.3 R23.1 R23#2.1 R23#3.1
/Ikafly_Separation_Board/SWIO: IC12.8 IC12#2.8 IC12#3.8 J9.2 J9#2.2 J9#3.2
/Ikafly_Separation_Board/VCAP: C29.1 C29#2.1 C29#3.1 C34.1 C34#2.1 C34#3.1 D4.2 D4#2.2 D4#3.2 IC14.1 IC14.3 IC14#2.1 IC14#2.3 IC14#3.1 IC14#3.3 R20.2 R20#2.2 R20#3.2 R25.1 R25#2.1 R25#3.1
/POWER: J3.8 J3#2.8 J5.8 J5#2.8 Q3.1 Q3#2.1 R27.2 R27#2.2 S3.3 S3#2.3
/VM1: C50.1 C50#2.1 C51.1 C51#2.1 C54.1 C54#2.1 IC16.1 IC16#2.1 PS3.7 PS3#2.7 R35.1 R35#2.1
/VM2: C46.1 C46#2.1 C47.1 C47#2.1 C55.1 C55#2.1 IC17.1 IC17#2.1 PS2.7 PS2#2.7 R32.1 R32#2.1
Net-(AE1-A): AE1.1 AE1#2.1 C13.1 C13#2.1
Net-(AE2-A): AE2.1 AE2#2.1 L2.1 L2#2.1
Net-(AE3-A): AE3.1 AE3#2.1 AE3#3.1 C30.1 C30#2.1 C30#3.1 C31.1 C31#2.1 C31#3.1 L4.1 L4#2.1 L4#3.1
Net-(BT2-+): BT2.1 BT2#2.1 IC5.6 IC5#2.6
Net-(C1-Pad2): C1.2 C1#2.2 R4.1 R4#2.1 Y1.1 Y1#2.1
Net-(C13-Pad2): C13.2 C13#2.2 L1.1 L1#2.1
Net-(C24-Pad1): C24.1 C24#2.1 L2.2 L2#2.2
Net-(C27-Pad1): C27.1 C27#2.1 R17.1 R17#2.1 Y2.3 Y2#2.3
Net-(C37-Pad1): C37.1 C37#2.1 C37#3.1 Y3.2 Y3#2.2 Y3#3.2
Net-(D1-A): D1.2 D1#2.2 R14.2 R14#2.2
Net-(D2-A): D2.2 D2#2.2 R15.2 R15#2.2
Net-(D3-K): D3.1 D3#2.1 D3#3.1 D4.1 D4#2.1 D4#3.1 J8.2 J8#2.2 J8#3.2 R20.1 R20#2.1 R20#3.1
Net-(D5-A): D5.2 D5#2.2 D5#3.2 R23.2 R23#2.2 R23#3.2
Net-(D6-A): D6.2 D6#2.2 D6#3.2 R24.2 R24#2.2 R24#3.2
Net-(D7-K): D7.1 D7#2.1 D8.2 D8#2.2 F1.2 F1#2.2 Q2.3 Q2#2.3
Net-(D8-K): D8.1 D8#2.1 D9.1 D9#2.1 Q2.2 Q2#2.2 Q3.2 Q3#2.2 R27.1 R27#2.1
Net-(D9-A): C39.1 C39#2.1 D9.2 D9#2.2 IC15.2 IC15#2.2 Q2.1 Q2#2.1
Net-(IC2-GPIO26_ADC0): IC2.38 IC2#2.38 R6.2 R6#2.2 R7.1 R7#2.1
Net-(IC2-XIN): IC2.20 IC2#2.20 R4.2 R4#2.2
Net-(IC2-XOUT): C2.2 C2#2.2 IC2.21 IC2#2.21 Y1.3 Y1#2.3
Net-(IC9-C1): C21.2 C21#2.2 IC9.4 IC9#2.4
Net-(IC11-DIN): IC11.4 IC11#2.4 R18.1 R18#2.1 R19.1 R19#2.1
Net-(IC11-PAOUT): C24.2 C24#2.2 IC11.3 IC11#2.3 L3.2 L3#2.2
Net-(IC11-XIN): IC11.6 IC11#2.6 R17.2 R17#2.2
Net-(IC11-XOUT): C25.1 C25#2.1 IC11.1 IC11#2.1 Y2.1 Y2#2.1
Net-(IC12-PC4/A2/T1CH4/MCO/T1CH1CH2N): IC12.7 IC12#2.7 IC12#3.7 R25.2 R25#2.2 R25#3.2 R26.1 R26#2.1 R26#3.1
Net-(IC12-PD6/A6/URX/T2CH3_/UTX_PA1/OSCI/A1/T1CH2/OPN0): IC12.1 IC12#2.1 IC12#3.1 TP1.1 TP1#2.1 TP1#3.1
Net-(IC13-ANT): C31.2 C31#2.2 C31#3.2 IC13.2 IC13#2.2 IC13#3.2 L5.1 L5#2.1 L5#3.1
Net-(IC13-CTH): C33.1 C33#2.1 C33#3.1 IC13.4 IC13#2.4 IC13#3.4
Net-(IC13-RefOsc): C35.1 C35#2.1 C35#3.1 IC13.8 IC13#2.8 IC13#3.8 Y3.1 Y3#2.1 Y3#3.1
Net-(IC16-~{SLEEP}): IC16.7 IC16#2.7 R37.2 R37#2.2
Net-(IC17-~{SLEEP}): IC17.7 IC17#2.7 R38.2 R38#2.2
Net-(IC18-RFIN): IC18.3 IC18#2.3 L1.2 L1#2.2
Net-(IC18-RFOUT): IC5.11 IC5#2.11 IC18.6 IC18#2.6
Net-(J4-A5_CC1): J4.4 J4#2.4 R12.1 R12#2.1
Net-(J4-B5_CC2): J4.10 J4#2.10 R13.1 R13#2.1
Net-(J6-PWDN): J6.8 J6#2.8 R16.2 R16#2.2
Net-(J8-Pin_1): J8.1 J8#2.1 J8#3.1 Q1.3 Q1#2.3 Q1#3.3
Net-(PS1-EN): PS1.2 PS1#2.2 R28.2 R28#2.2
Net-(PS1-FB): PS1.5 PS1#2.5 R29.2 R29#2.2 R30.1 R30#2.1
Net-(PS1-LX): L6.2 L6#2.2 PS1.1 PS1#2.1
Net-(PS2-EN): PS2.2 PS2#2.2 R31.2 R31#2.2
Net-(PS2-FB): PS2.5 PS2#2.5 R32.2 R32#2.2 R33.1 R33#2.1
Net-(PS2-LX): L7.2 L7#2.2 PS2.1 PS2#2.1
Net-(PS3-EN): PS3.2 PS3#2.2 R34.2 R34#2.2
Net-(PS3-FB): PS3.5 PS3#2.5 R35.2 R35#2.2 R36.1 R36#2.1
Net-(PS3-LX): L8.2 L8#2.2 PS3.1 PS3#2.1
Net-(Q1-G): Q1.1 Q1#2.1 Q1#3.1 R21.2 R21#2.2 R21#3.2 R22.1 R22#2.1 R22#3.1

Pads without a net: IC2 24 25 27 34 35 39 40; IC2#2 24 25 27 34 35 39 40; IC5 5 7 9 13 14 15 16 17 18; IC5#2 5 7 9 13 14 15 16 17 18; IC6 4; IC6#2 4; IC7 4; IC7#2 4; IC8 4 9 10 11; IC8#2 4 9 10 11; IC9 7 8; IC9#2 7 8; IC10 2 5; IC10#2 2 5; IC13 7; IC13#2 7; IC13#3 7; IC14 4; IC14#2 4; IC14#3 4; J4 3 9; J4#2 3 9; J6 1 6 23 24; J6#2 1 6 23 24; PS1 6; PS1#2 6; PS2 6; PS2#2 6; PS3 6; PS3#2 6; S3 1 4 5 6; S3#2 1 4 5 6

## Via types
v1: diameter 0.7, hole 0.35, Top to Bottom, 498 vias
v2: diameter 0.8, hole 0.4, Top to Bottom, 116 vias
v3: diameter 0.6, hole 0.35, Top to Bottom, 176 vias
v4: diameter 0.45, hole 0.3, Top to Bottom, 26 vias

## Routing (per net, layer and track width the routed paths; a pad name or vN(x,y) marks a point on that pad's centre or on a via; arc(x,y) is an arc through that point)
/3V3: length 179.1
  Top w0.16: 42.71,31.54 42.75,31.5 IC2#2.42 ; 42.71,31.54 42.33,31.54 42.33,31.53 ; 42.71,31.54 IC2#2.43 44.01,31.54 45.7,29.85 C7.1 45.72,29.72 C10.1 44.58,31.94 IC2#2.44 42.35,31.94 ; 25.91,38.97 25.89,38.95 v3(25.89,38.66) ; 42.61,79.74 42.65,79.7 IC2.42 ; 42.61,79.74 42.23,79.74 42.23,79.73 ; 42.61,79.74 IC2.43 43.91,79.74 45.6,78.05 C7#2.1 45.62,77.92 C10#2.1 44.48,80.14 IC2.44 42.25,80.14 ; 37.53,82.53 37.14,82.14 IC2.22 ; IC1#2.8 53.2,38.89 R5.1 ; R8#2.1 32.64,86.92 v3(32.27,87.29) ; 25.81,87.17 25.79,87.15 v3(25.79,86.86) ; 39.15,29.18 IC2#2.33 39.15,31.66 39.15,31.66 ; IC1.8 53.1,87.09 R5#2.1 ; 37.63,34.33 37.24,33.94 IC2#2.22 ; 39.05,79.86 39.05,79.86 IC2.33 39.05,77.38 ; R9#2.1 32.08,85.4 v3(30.76,86.72) 30.48,87 IC8#2.12 ; R9.1 32.18,37.2 v3(30.86,38.52) 30.58,38.8 IC8.12 ; v3(32.37,39.09) 32.74,38.72 R8.1 ; IC9#2.5 IC9#2.6 ; IC9.5 IC9.6
  Top w0.2: IC2#2.1 42.75,36.65 42.6,36.5 ; IC2.49 42.87,82.14 42.61,82.4 ; 25.95,82.52 25.95,81.81 C22#2.1 ; 25.95,82.52 IC9#2.6 ; 25.95,82.52 26.72,82.52 27.16,82.96 27.16,84.49 26.92,84.72 IC9#2.10 ; IC8#2.8 26.25,86.34 25.81,86.78 25.81,87.51 26.28,87.98 C20#2.2 27.87,87.98 IC8#2.5 28.27,88 29.27,87 IC8#2.12 ; IC9.6 26.05,34.32 ; 26.05,34.32 26.05,33.61 C22.1 ; 26.05,34.32 26.82,34.32 27.26,34.76 27.26,36.29 27.02,36.52 IC9.10 ; 42.48,81.89 42.64,81.74 IC2.48 ; 42.58,33.69 42.74,33.54 IC2#2.48 ; C8.1 35.14,33.94 IC2#2.22 ; IC2.22 35.04,82.14 C8#2.1 ; IC10#2.6 26.11,45.05 26.46,45.4 27.06,45.4 27.41,45.05 IC10#2.8 27.72,44.29 28.46,44.29 ; 39.1,36.9 39.15,36.95 IC2#2.10 ; 42.5,84.7 42.65,84.85 IC2.1 ; 42.71,34.2 42.97,33.94 IC2#2.49 ; 39,85.1 39.05,85.15 IC2.10 ; IC10.6 26.01,93.25 26.36,93.6 26.96,93.6 27.31,93.25 IC10.8 27.62,92.49 C23.1 ; IC8.8 26.35,38.14 25.91,38.58 25.91,39.31 26.38,39.78 C20.2 27.97,39.78 IC8.5 28.38,39.8 29.38,38.8 IC8.12
  Top w0.3: R37.1 12.67,76.62 C52#2.1 ; R37#2.1 12.77,28.42 C52.1
  Top w0.35: 10.73,31.73 PS1#2.7 8.4,31.73 ; IC1#2.8 51.92,39.2 C11.1 ; C26.1 29.99,77.53 30.29,77.23 30.29,76.25 IC11.5 30.4,75.68 31.08,75 v3(31.73,75) 32.51,75 32.9,75.39 ; 45.7,64.68 45.62,64.68 44.94,65.36 IC18.4 44.94,66.24 ; R38#2.1 22.9,75.49 C53#2.1 ; 41.32,27.3 41.32,26.99 40.22,25.89 R11.1 40.15,25.94 R10.1 ; 45.8,16.48 45.72,16.48 45.04,17.16 IC18#2.4 45.04,18.04 ; 42.65,85.1 42.65,85.14 42.72,85.21 42.72,85.3 43.11,85.69 43.83,85.69 C6#2.1 44.62,86.52 C9#2.1 ; C26#2.1 30.09,29.33 30.39,29.03 30.39,28.05 IC11#2.5 30.5,27.48 31.18,26.8 v3(31.83,26.8) 32.61,26.8 33,27.19 ; IC16#2.8 12.8,27.45 R37#2.1 ; C9.1 44.72,38.32 C6.1 43.93,37.49 43.21,37.49 42.82,37.1 42.82,37.01 42.75,36.94 42.75,36.9 ; R10#2.1 40.05,74.14 R11#2.1 40.12,74.09 41.22,75.19 41.22,75.5 ; 8.3,79.93 PS1.7 10.63,79.93 ; IC1.8 51.82,87.4 C11#2.1 ; v2(28.3,93.3) 28.36,93.24 C23.1 ; v2(28.4,45.1) 28.46,45.04 28.46,44.29 ; IC16.8 12.7,75.65 R37.1 ; R38.1 23,27.29 C53.1 ; v3(20.85,27.6) IC17#2.8 ; v3(20.75,75.8) IC17.8
  Top w0.5: C42.1 7.85,31.53 C43#2.1 8.1,31.73 8.4,31.73 ; C15#2.1 62.32,16.19 61.73,15.6 ; IC5#2.8 61.73,15.6 ; 61.73,15.6 J5.1 ; 10.73,31.73 11.8,32.8 R29.1 ; 61.63,63.8 62.22,64.39 C15.1 ; 61.63,63.8 J5#2.1 ; 61.63,63.8 IC5.8 ; 10.63,79.93 11.7,81 R29#2.1 ; 8.3,79.93 8,79.93 C43.1 7.75,79.73 C42#2.1
  Bottom w0.35: IC7#2.1 32.55,43.45 32.2,43.8 32.2,44.4 ; v1(45.2,92.6) 45.67,93.08 46.4,93.08 ; IC6#2.1 44.95,93.55 45.2,93.3 45.2,91.9 44.95,91.65 IC6#2.3 ; 32.1,92.6 32.1,92 32.45,91.65 IC7.1 ; 32.1,92.6 32.1,93.2 32.45,93.55 IC7.3 ; 32.1,92.6 32.1,93.35 v1(32,93.45) 31.63,93.08 30.9,93.08 ; C16.1 31.73,44.88 v1(32.1,45.25) 32.2,45.15 32.2,44.4 ; v2(8.65,51.92) 8.7,51.87 R15#2.1 ; v1(45.3,44.4) 45.77,44.88 C17#2.1 ; 32.2,44.4 32.2,45 32.55,45.35 IC7#2.3 ; R15.1 8.8,3.67 v2(8.75,3.72) ; IC6.3 45.05,43.45 45.3,43.7 45.3,45.1 45.05,45.35 IC6.1
  vias: v1(39.6,74.14) v1(39.7,25.94) v2(7.7,80.8) v2(7.8,32.6) v2(11.62,80.8) v2(11.72,32.6) v2(12.07,76.62) v2(12.17,28.42) v3(22.9,74.9) v3(23,26.7) v3(27.16,84.33) v3(27.26,36.13) v3(44.62,87.1) v3(44.72,38.9) v3(45.2,65.1) v3(45.3,16.9) v3(45.62,78.53) v3(45.72,30.33) v3(52.29,87.4) v3(52.39,39.2) v3(60.5,63.8) v3(60.6,15.6)
/Ikafly_Camera/1V2: length 10
  Top w0.2: J6.10 38.6,42.38 38.17,42.8 37.6,42.8 37.1,43.3 v1(37.1,43.45) ; v1(37,91.65) 37,91.5 37.5,91 38.07,91 38.5,90.58 J6#2.10
  Bottom w0.35: C19#2.1 37.45,91.65 IC7.5 ; IC7#2.5 37.55,43.45 C19.1
/Ikafly_Camera/2V8: length 25.6
  Top w0.2: v1(40.4,93.55) 38.98,92.13 38.98,89.42 J6#2.11 ; J6#2.4 v4(35.5,90.6) ; v1(40.5,45.35) 39.08,43.93 39.08,41.22 J6.11 ; J6.4 v4(35.6,42.4)
  Bottom w0.2: v4(35.6,42.4) 35.9,42.7 38.02,42.7 39.02,43.71 39.02,44.5 39.8,45.28 ; 39.7,93.48 38.92,92.7 38.92,91.91 37.92,90.9 35.8,90.9 v4(35.5,90.6)
  Bottom w0.35: v1(40.5,45.35) IC6.5 ; v1(40.4,93.55) IC6#2.5
/Ikafly_MCU/1V1: length 26.5
  Top w0.16: IC2#2.23 35.95,33.54 v3(35.71,33.29) ; IC2.23 35.85,81.74 v3(35.61,81.49) ; C4#2.1 45.21,80.53 43.49,80.53 IC2.45 42.65,80.54 v3(42.46,80.73) ; v3(42.56,32.53) 42.75,32.34 IC2#2.45 43.59,32.33 45.31,32.33 C4.1
  Top w0.2: v3(35.61,81.49) 35.41,81.3 35.11,81 34.78,81 ; v3(44.87,34.16) 44.69,34.34 IC2#2.50 ; IC2.50 44.59,82.54 v3(44.77,82.36) ; 34.88,32.8 35.21,32.8 35.51,33.1 v3(35.71,33.29)
  Top w0.35: v3(44.77,82.36) 44.83,82.3 C3.1 ; v3(44.87,34.16) 44.93,34.1 C3#2.1
  Bottom w0.35: v3(44.87,34.16) 44.19,34.16 v3(42.56,32.53) ; v3(37.92,81.65) 37.76,81.49 v3(35.61,81.49) ; v3(38.02,33.45) 37.86,33.29 v3(35.71,33.29) ; v3(44.77,82.36) 44.09,82.36 v3(42.46,80.73)
/Ikafly_Power/Ikafly_Power_DCDC_Logic/VBAT: length 37.1
  Top w0.35: 12.92,32.38 15.04,32.38 ; 18.57,81.21 18.57,79.43 19.71,78.29 19.71,78 20.11,77.6 21.36,77.6 21.94,77.02 ; 14.94,80.58 12.82,80.58 ; 22.04,28.82 21.46,29.4 20.21,29.4 19.81,29.8 19.81,30.09 18.67,31.23 18.67,33.01
  Top w0.5: L6#2.1 18.38,81.4 18.57,81.21 ; 12.82,80.58 12.47,80.93 12.47,84 ; 18.67,33.01 18.48,33.2 L6.1 ; 12.92,32.38 12.57,32.73 12.57,35.8
  Top w0.8: L6.1 16.09,32.42 15.29,32.42 ; L6#2.1 15.99,80.62 15.19,80.62
  Top w1: C41#2.1 16.95,33.28 L6.1 ; C41.1 16.85,81.48 L6#2.1
/Ikafly_Power/VBUS_IN: length 30.8
  Top w0.35: IC15#2.3 47.47,74.63 47.47,76.6 50.71,76.6 v3(50.94,76.82) ; IC15.3 47.57,26.43 47.57,28.4 50.81,28.4 v3(51.04,28.62) ; v3(56.4,80.3) 56.38,80.28 J4#2.11 ; J4.11 56.48,32.08 v3(56.5,32.1)
  Bottom w0.35: v3(56.4,80.3) 55.6,79.5 51.63,79.5 v3(51.58,79.45) 51.84,79.19 51.84,78.07 50.94,77.16 v3(50.94,76.82) ; v3(56.5,32.1) 55.7,31.3 51.73,31.3 v3(51.68,31.25) 51.94,30.99 51.94,29.87 51.04,28.96 v3(51.04,28.62)
